# Altium PCB STM32F207VC.PcbDoc (part 14 of 16)
Units mm, origin at the board's own origin, x right, y up, seen from the top; angles counter-clockwise.
Board outline 99.19 x 99.95 mm, 2 copper layers (Top Layer, Bottom Layer); 127 components, 125 nets, 570 pads, 172 vias.
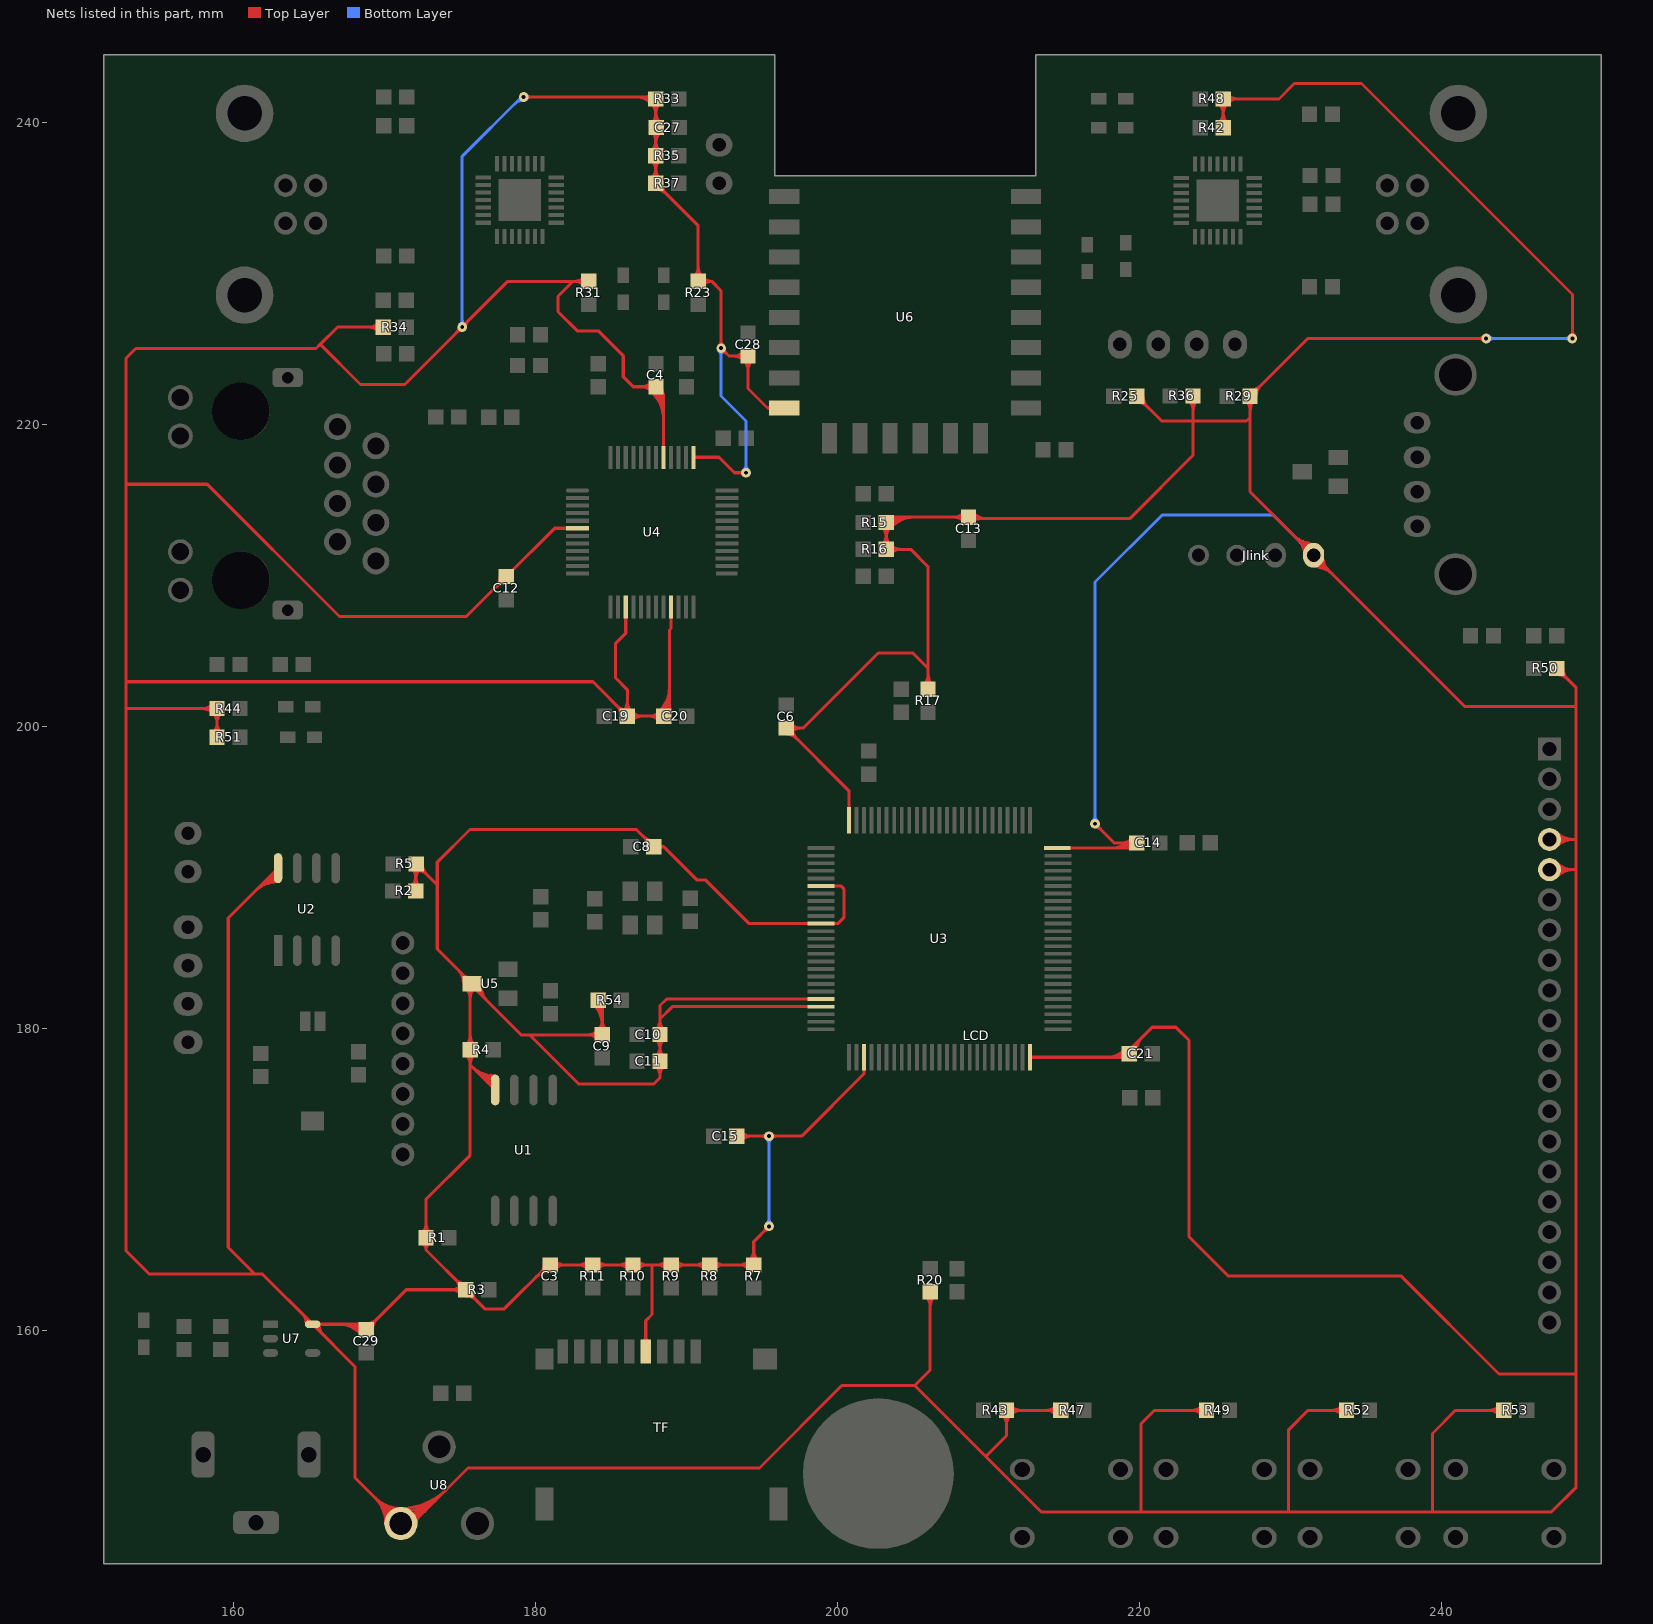
[diagram p14: the nets of this part, all layers, seen from the top]

## Via types
v1: diameter 0.635, hole 0.254, Top Layer to Bottom Layer, tented both sides, 152 vias
v2: diameter 0.635, hole 0.406, Top Layer to Bottom Layer, 18 vias
v3: diameter 1, hole 1, Top Layer to Bottom Layer, 2 vias

## Nets (pads, with @x,y where several pads share a name; then routed paths per layer and width w, separated by ;. In a path a pad name is that pad's centre, name@x,y a point inside that pad or via, vN(x,y) a via of type N, cw(c..) or ccw(c..) an arc to the next point about the centre after c; other vN are vias at no path point) (continued)
VCC3.3: (continued)
  Top Layer w0.203: R51.2@158.894,199.269 R44.2@158.894,201.174 152.87,201.174 152.864,201.168 ; U2.8@162.937,190.605 159.639,187.307 159.639,165.481 161.392,163.728 ; R34.1@169.909,226.435 166.872,226.435 165.735,225.298 ; U8.1@170.071,147.193 ccw(c167.66,147.193) 169.365,148.897 ccw(c171.069,150.602) 171.069,148.191 ccw(c171.069,152.441) 174.074,149.436 ; U8.1@170.274,147.193 ccw(c168.354,147.193) 169.712,148.55 ccw(c171.069,149.908) 171.069,147.988 ccw(c171.069,151.748) 173.727,149.089 ; U8.1@170.477,147.193 ccw(c169.048,147.193) 170.058,148.204 ccw(c171.069,149.214) 171.069,147.785 ccw(c171.069,151.054) 173.38,148.742 ; U8.1@171.069,147.175 ccw(c171.069,148.973) 172.34,147.702 ; U8.1@171.069,147.379 ccw(c171.069,149.666) 172.687,148.049 ; U8.1@171.069,147.582 ccw(c171.069,150.36) 173.034,148.396 ; R2.2@172.05,189.091 R5.1@172.05,190.846 ; U8.1@172.067,147.193 cw(c172.638,147.193) 172.235,147.597 ; U1.8@177.316,175.909 175.658,177.567 ; v1(179.203,241.675) 187.816,241.675 R33.1@187.943,241.548 R35.1@187.943,237.792 R37.2@187.943,235.972 ; U4.6@182.762,213.112 181.259,213.112 C12.2@178.06,209.914 ; R31.2@183.521,229.464 182.474,229.464 ; U4.15@185.965,207.909 185.965,206.167 185.293,205.495 185.293,203.2 186.072,202.421 C19.1@186.072,200.666 ; TF.4@187.291,158.593 187.291,160.621 187.706,161.036 187.706,164.321 ; U4.41@188.465,217.815 188.465,221.987 C4.1@187.966,222.487 ; U4.21@188.965,207.909 188.965,206.482 188.862,206.379 188.862,201.042 C20.2@188.485,200.666 ; U4.37@190.465,217.815 192.141,217.815 193.167,216.789 v1(193.929,216.789) ; C15.1@193.311,172.853 v1(195.453,172.853) 197.618,172.853 201.745,176.98 U3.28@201.745,178.078 ; v1(195.453,166.878) 194.443,165.868 R7.2@194.443,164.321 R8.2@191.522,164.321 R9.2@188.982,164.321 187.706,164.321 ; U6.8@196.469,221.077 195.356,221.077 ; U3.22@198.895,181.428 189.048,181.428 188.231,180.611 ; U3.21@198.895,181.928 188.659,181.928 188.231,181.5 188.231,180.611 ; U3.6@198.895,189.428 200.208,189.428 200.406,189.23 200.406,187.325 200.009,186.928 U3.11@198.895,186.928 194.139,186.928 191.235,189.832 190.66,189.832 188.474,192.018 ; U3.100@200.745,193.778 200.745,195.738 C6.1@196.602,199.881 ; R17.1@205.988,202.455 205.988,203.841 ; R20.1@206.127,162.543 206.127,157.359 205.105,156.337 ; U3.50@212.745,178.078 219.088,178.078 C21.1@219.312,178.302 ; U3.75@214.544,191.928 219.476,191.928 C14.1@219.82,192.272 ; R47.2@214.774,154.692 R43.2@211.184,154.692 211.184,153.018 209.804,151.638 ; v1(217.043,193.548) 218.319,192.272 C14.1@219.82,192.272 ; R36.1@223.537,221.875 223.537,220.218 ; R49.2@224.426,154.692 220.986,154.692 220.091,153.797 220.091,147.955 ; R42.2@225.535,239.643 R48.2@225.535,241.548 229.229,241.548 230.251,242.57 234.696,242.57 248.666,228.6 v1(248.666,225.679) ; R52.2@233.697,154.692 231.146,154.692 229.87,153.416 229.87,147.955 ; v1(242.951,225.679) 231.129,225.679 R29.2@227.313,221.863 ; R53.2@244.111,154.692 240.925,154.692 239.395,153.162 239.395,147.955 ; LCD.5@247.147,190.503 248.911,190.503 ; LCD.4@247.147,192.504 248.885,192.504 ; 152.864,201.168 152.864,165.268 154.404,163.728 161.392,163.728 ; 152.864,201.168 152.864,202.946 ; 152.864,202.946 183.792,202.946 C19.1@186.072,200.666 ; 152.864,202.946 152.864,216.027 ; 152.864,216.027 158.242,216.027 167.005,207.264 175.41,207.264 C12.2@178.06,209.914 ; 152.864,216.027 152.864,224.368 153.515,225.019 165.456,225.019 165.735,225.298 ; 157.913,201.174 cw(c157.913,200.193) R44.2@158.607,200.887 ; 157.913,201.174 ccw(c157.913,202.155) R44.2@158.607,201.461 ; 157.913,201.174 cw(c157.913,200.193) R44.2@158.607,200.887 ; 157.913,201.174 ccw(c157.913,202.155) R44.2@158.607,201.461 ; 157.913,201.174 ccw(c157.913,202.155) R44.2@158.607,201.461 ; 157.913,201.174 cw(c157.913,200.193) R44.2@158.607,200.887 ; 157.913,201.174 ccw(c157.913,202.155) R44.2@158.607,201.461 ; 157.913,201.174 cw(c157.913,200.193) R44.2@158.607,200.887 ; R51.2@158.607,199.556 ccw(c157.913,200.25) 158.894,200.25 ; R51.2@158.607,199.556 ccw(c157.913,200.25) 158.894,200.25 ; R51.2@158.607,199.556 ccw(c157.913,200.25) 158.894,200.25 ; R51.2@158.607,199.556 ccw(c157.913,200.25) 158.894,200.25 ; R44.2@158.607,200.887 cw(c157.913,200.193) 158.894,200.193 ; R44.2@158.607,200.887 cw(c157.913,200.193) 158.894,200.193 ; R44.2@158.607,200.887 cw(c157.913,200.193) 158.894,200.193 ; R44.2@158.607,200.887 cw(c157.913,200.193) 158.894,200.193 ; 158.894,200.193 cw(c159.876,200.193) R44.2@159.182,200.887 ; 158.894,200.193 cw(c159.876,200.193) R44.2@159.182,200.887 ; 158.894,200.193 cw(c159.876,200.193) R44.2@159.182,200.887 ; 158.894,200.193 cw(c159.876,200.193) R44.2@159.182,200.887 ; 158.894,200.25 ccw(c159.876,200.25) R51.2@159.182,199.556 ; 158.894,200.25 ccw(c159.876,200.25) R51.2@159.182,199.556 ; 158.894,200.25 ccw(c159.876,200.25) R51.2@159.182,199.556 ; 158.894,200.25 ccw(c159.876,200.25) R51.2@159.182,199.556 ; 161.392,163.728 161.892,163.728 U7.5@165.227,160.394 ; 161.419,189.087 cw(c162.937,187.569) U2.8@162.937,189.716 ; 161.419,189.087 cw(c162.937,187.569) U2.8@162.937,189.716 ; 161.419,189.087 cw(c162.937,187.569) U2.8@162.937,189.716 ; 161.419,189.087 cw(c162.937,187.569) U2.8@162.937,189.716 ; 161.766,189.434 cw(c162.937,188.263) U2.8@162.937,189.919 ; 161.766,189.434 cw(c162.937,188.263) U2.8@162.937,189.919 ; 161.766,189.434 cw(c162.937,188.263) U2.8@162.937,189.919 ; 161.766,189.434 cw(c162.937,188.263) U2.8@162.937,189.919 ; 162.113,189.781 cw(c162.937,188.957) U2.8@162.937,190.122 ; 162.113,189.781 cw(c162.937,188.957) U2.8@162.937,190.122 ; 162.113,189.781 cw(c162.937,188.957) U2.8@162.937,190.122 ; 162.113,189.781 cw(c162.937,188.957) U2.8@162.937,190.122 ; 162.142,189.547 ccw(c161.93,190.548) U2.8@162.788,189.99 ; 162.142,189.547 ccw(c161.93,190.548) U2.8@162.788,189.99 ; 162.142,189.547 ccw(c161.93,190.548) U2.8@162.788,189.99 ; 162.142,189.547 ccw(c161.93,190.548) U2.8@162.788,189.99 ; 162.142,189.547 ccw(c161.93,190.548) U2.8@162.788,189.99 ; 162.459,189.791 cw(c162.592,189.295) U2.8@162.848,189.739 ; 162.459,189.791 cw(c162.592,189.295) U2.8@162.848,189.739 ; 162.459,189.791 cw(c162.592,189.295) U2.8@162.848,189.739 ; 162.459,189.791 cw(c162.592,189.295) U2.8@162.848,189.739 ; 162.459,189.791 cw(c162.592,189.295) U2.8@162.848,189.739 ; 162.459,189.791 cw(c162.592,189.295) U2.8@162.848,189.739 ; 162.46,190.128 cw(c162.937,189.651) U2.8@162.937,190.325 ; 162.46,190.128 cw(c162.937,189.651) U2.8@162.937,190.325 ; 162.46,190.128 cw(c162.937,189.651) U2.8@162.937,190.325 ; 162.46,190.128 cw(c162.937,189.651) U2.8@162.937,190.325 ; 162.573,189.821 ccw(c162.484,190.155) U2.8@162.783,189.982 ; 162.573,189.821 ccw(c162.484,190.155) U2.8@162.783,189.982 ; 162.573,189.821 ccw(c162.484,190.155) U2.8@162.783,189.982 ; 162.573,189.821 ccw(c162.484,190.155) U2.8@162.783,189.982 ; 162.573,189.821 ccw(c162.484,190.155) U2.8@162.783,189.982 ; 162.573,189.821 ccw(c162.484,190.155) U2.8@162.783,189.982 ; 162.622,189.649 ccw(c162.512,190.17) U2.8@162.958,189.879 ; 162.622,189.649 ccw(c162.512,190.17) U2.8@162.958,189.879 ; 162.622,189.649 ccw(c162.512,190.17) U2.8@162.958,189.879 ; 162.622,189.649 ccw(c162.512,190.17) U2.8@162.958,189.879 ; 162.622,189.649 ccw(c162.512,190.17) U2.8@162.958,189.879 ; U2.8@162.807,190.474 cw(c162.937,190.344) U2.8@162.937,190.528 ; U2.8@162.807,190.474 cw(c162.937,190.344) U2.8@162.937,190.528 ; U2.8@162.807,190.474 cw(c162.937,190.344) U2.8@162.937,190.528 ; U2.8@162.807,190.474 cw(c162.937,190.344) U2.8@162.937,190.528 ; 164.533,161.088 cw(c163.839,160.394) U7.5@164.821,160.394 ; 164.533,161.088 cw(c163.839,160.394) U7.5@164.821,160.394 ; 164.533,161.088 cw(c163.839,160.394) U7.5@164.821,160.394 ; 164.533,161.088 cw(c163.839,160.394) U7.5@164.821,160.394 ; 164.771,160.58 ccw(c165.138,160.679) U7.5@164.948,160.35 ; 164.771,160.58 ccw(c165.138,160.679) U7.5@164.948,160.35 ; 164.771,160.58 ccw(c165.138,160.679) U7.5@164.948,160.35 ; 164.771,160.58 ccw(c165.138,160.679) U7.5@164.948,160.35 ; 164.771,160.58 ccw(c165.138,160.679) U7.5@164.948,160.35 ; 164.88,160.741 cw(c164.533,160.394) U7.5@165.024,160.394 ; 164.88,160.741 cw(c164.533,160.394) U7.5@165.024,160.394 ; 164.88,160.741 cw(c164.533,160.394) U7.5@165.024,160.394 ; 164.88,160.741 cw(c164.533,160.394) U7.5@165.024,160.394 ; U7.5@165.227,160.394 168.421,160.394 C29.1@168.777,160.037 ; U7.5@165.227,160.394 168.021,157.6 168.021,150.241 U8.1@171.069,147.193 171.831,147.193 175.514,150.876 194.818,150.876 200.279,156.337 205.105,156.337 ; U7.5@165.43,160.394 ccw(c165.921,160.394) 165.574,160.047 ; U7.5@165.43,160.394 ccw(c165.921,160.394) 165.574,160.047 ; U7.5@165.43,160.394 ccw(c165.921,160.394) 165.574,160.047 ; U7.5@165.43,160.394 ccw(c165.921,160.394) 165.574,160.047 ; U7.5@165.506,160.438 cw(c165.316,160.109) 165.683,160.207 ; U7.5@165.506,160.438 cw(c165.316,160.109) 165.683,160.207 ; U7.5@165.506,160.438 cw(c165.316,160.109) 165.683,160.207 ; U7.5@165.506,160.438 cw(c165.316,160.109) 165.683,160.207 ; U7.5@165.506,160.438 cw(c165.316,160.109) 165.683,160.207 ; U7.5@165.506,160.438 cw(c165.316,160.109) 165.683,160.207 ; U7.5@165.589,160.286 cw(c165.849,160.026) 165.849,160.394 ; U7.5@165.589,160.286 cw(c165.849,160.026) 165.849,160.394 ; U7.5@165.589,160.286 cw(c165.849,160.026) 165.849,160.394 ; U7.5@165.589,160.286 cw(c165.849,160.026) 165.849,160.394 ; U7.5@165.589,160.502 ccw(c165.849,160.762) 165.849,160.394 ; U7.5@165.589,160.502 ccw(c165.849,160.762) 165.849,160.394 ; U7.5@165.589,160.502 ccw(c165.849,160.762) 165.849,160.394 ; U7.5@165.589,160.502 ccw(c165.849,160.762) 165.849,160.394 ; U7.5@165.633,160.394 ccw(c166.615,160.394) 165.921,159.7 ; U7.5@165.633,160.394 ccw(c166.615,160.394) 165.921,159.7 ; U7.5@165.633,160.394 ccw(c166.615,160.394) 165.921,159.7 ; U7.5@165.633,160.394 ccw(c166.615,160.394) 165.921,159.7 ; 165.735,225.298 168.402,222.631 171.323,222.631 178.156,229.464 182.474,229.464 ; 166.936,160.394 cw(c166.936,158.196) C29.1@168.49,159.75 ; 166.936,160.394 cw(c166.936,158.196) C29.1@168.49,159.75 ; 166.936,160.394 cw(c166.936,158.196) C29.1@168.49,159.75 ; 166.936,160.394 cw(c166.936,158.196) C29.1@168.49,159.75 ; 167.426,160.394 cw(c167.426,158.686) C29.1@168.633,159.894 ; 167.426,160.394 cw(c167.426,158.686) C29.1@168.633,159.894 ; 167.426,160.394 cw(c167.426,158.686) C29.1@168.633,159.894 ; 167.426,160.394 cw(c167.426,158.686) C29.1@168.633,159.894 ; 167.88,160.148 ccw(c168.102,160.487) C29.1@168.439,160.263 ; 167.88,160.148 ccw(c168.102,160.487) C29.1@168.439,160.263 ; 167.88,160.148 ccw(c168.102,160.487) C29.1@168.439,160.263 ; 167.88,160.148 ccw(c168.102,160.487) C29.1@168.439,160.263 ; 167.88,160.148 ccw(c168.102,160.487) C29.1@168.439,160.263 ; 167.88,160.148 ccw(c168.102,160.487) C29.1@168.439,160.263 ; 167.917,160.394 cw(c167.917,159.177) C29.1@168.777,160.037 ; 167.917,160.394 cw(c167.917,159.177) C29.1@168.777,160.037 ; 167.917,160.394 cw(c167.917,159.177) C29.1@168.777,160.037 ; 167.917,160.394 cw(c167.917,159.177) C29.1@168.777,160.037 ; 167.966,160.279 ccw(c168.195,160.675) C29.1@168.503,160.337 ; 167.966,160.279 ccw(c168.195,160.675) C29.1@168.503,160.337 ; 167.966,160.279 ccw(c168.195,160.675) C29.1@168.503,160.337 ; 167.966,160.279 ccw(c168.195,160.675) C29.1@168.503,160.337 ; 167.966,160.279 ccw(c168.195,160.675) C29.1@168.503,160.337 ; 167.966,160.279 ccw(c168.195,160.675) C29.1@168.503,160.337 ; 168.052,160.036 ccw(c168.272,160.374) C29.1@168.608,160.15 ; 168.052,160.036 ccw(c168.272,160.374) C29.1@168.608,160.15 ; 168.052,160.036 ccw(c168.272,160.374) C29.1@168.608,160.15 ; 168.052,160.036 ccw(c168.272,160.374) C29.1@168.608,160.15 ; 168.052,160.036 ccw(c168.272,160.374) C29.1@168.608,160.15 ; 168.052,160.036 ccw(c168.272,160.374) C29.1@168.608,160.15 ; 168.206,160.14 ccw(c168.391,160.46) C29.1@168.64,160.187 ; 168.206,160.14 ccw(c168.391,160.46) C29.1@168.64,160.187 ; 168.206,160.14 ccw(c168.391,160.46) C29.1@168.64,160.187 ; 168.206,160.14 ccw(c168.391,160.46) C29.1@168.64,160.187 ; 168.206,160.14 ccw(c168.391,160.46) C29.1@168.64,160.187 ; 168.206,160.14 ccw(c168.391,160.46) C29.1@168.64,160.187 ; 168.223,159.924 ccw(c168.443,160.26) C29.1@168.777,160.037 ; 168.223,159.924 ccw(c168.443,160.26) C29.1@168.777,160.037 ; 168.223,159.924 ccw(c168.443,160.26) C29.1@168.777,160.037 ; 168.223,159.924 ccw(c168.443,160.26) C29.1@168.777,160.037 ; 168.223,159.924 ccw(c168.443,160.26) C29.1@168.777,160.037 ; 168.223,159.924 ccw(c168.443,160.26) C29.1@168.777,160.037 ; 168.232,160.352 cw(c168.089,160.106) C29.1@168.373,160.077 ; 168.232,160.352 ccw(c168.374,160.599) C29.1@168.54,160.368 ; 168.232,160.352 cw(c168.089,160.106) C29.1@168.373,160.077 ; 168.232,160.352 ccw(c168.374,160.599) C29.1@168.54,160.368 ; 168.232,160.352 cw(c168.089,160.106) C29.1@168.373,160.077 ; 168.232,160.352 ccw(c168.374,160.599) C29.1@168.54,160.368 ; 168.232,160.352 ccw(c168.374,160.599) C29.1@168.54,160.368 ; 168.232,160.352 cw(c168.089,160.106) C29.1@168.373,160.077 ; 168.232,160.352 ccw(c168.374,160.599) C29.1@168.54,160.368 ; 168.232,160.352 cw(c168.089,160.106) C29.1@168.373,160.077 ; 168.232,160.352 ccw(c168.374,160.599) C29.1@168.54,160.368 ; 168.232,160.352 cw(c168.089,160.106) C29.1@168.373,160.077 ; 168.24,160.121 cw(c168.084,159.852) C29.1@168.385,159.932 ; 168.24,160.121 cw(c168.084,159.852) C29.1@168.385,159.932 ; 168.24,160.121 cw(c168.084,159.852) C29.1@168.385,159.932 ; 168.24,160.121 cw(c168.084,159.852) C29.1@168.385,159.932 ; 168.24,160.121 cw(c168.084,159.852) C29.1@168.385,159.932 ; 168.24,160.121 cw(c168.084,159.852) C29.1@168.385,159.932 ; C29.1@168.407,160.394 cw(c168.407,159.668) C29.1@168.921,160.181 ; C29.1@168.407,160.394 cw(c168.407,159.668) C29.1@168.921,160.181 ; C29.1@168.407,160.394 cw(c168.407,159.668) C29.1@168.921,160.181 ; C29.1@168.407,160.394 cw(c168.407,159.668) C29.1@168.921,160.181 ; C29.1@168.777,160.037 cw(c169.473,159.895) 169.289,160.581 ; C29.1@168.777,160.037 ccw(c168.635,160.733) 169.321,160.549 ; C29.1@168.777,160.037 ccw(c168.635,160.733) 169.321,160.549 ; C29.1@168.777,160.037 cw(c169.473,159.895) 169.289,160.581 ; C29.1@168.777,160.037 ccw(c168.635,160.733) 169.321,160.549 ; C29.1@168.777,160.037 cw(c169.473,159.895) 169.289,160.581 ; C29.1@168.777,160.037 cw(c169.473,159.895) 169.289,160.581 ; C29.1@168.777,160.037 ccw(c168.635,160.733) 169.321,160.549 ; C29.1@168.777,160.037 cw(c169.473,159.895) 169.289,160.581 ; C29.1@168.777,160.037 ccw(c168.635,160.733) 169.321,160.549 ; C29.1@168.777,160.037 ccw(c168.635,160.733) 169.321,160.549 ; C29.1@168.777,160.037 cw(c169.473,159.895) 169.289,160.581 ; C29.1@168.777,160.037 171.421,162.681 R3.1@175.37,162.681 ; C29.1@168.777,160.444 ccw(c168.777,161.425) 169.471,160.731 ; C29.1@168.777,160.444 ccw(c168.777,161.425) 169.471,160.731 ; C29.1@168.777,160.444 ccw(c168.777,161.425) 169.471,160.731 ; C29.1@168.777,160.444 ccw(c168.777,161.425) 169.471,160.731 ; 168.927,226.435 cw(c168.927,225.454) R34.1@169.621,226.148 ; 168.927,226.435 ccw(c168.927,227.416) R34.1@169.621,226.722 ; 168.927,226.435 cw(c168.927,225.454) R34.1@169.621,226.148 ; 168.927,226.435 ccw(c168.927,227.416) R34.1@169.621,226.722 ; 168.927,226.435 ccw(c168.927,227.416) R34.1@169.621,226.722 ; 168.927,226.435 cw(c168.927,225.454) R34.1@169.621,226.148 ; 168.927,226.435 ccw(c168.927,227.416) R34.1@169.621,226.722 ; 168.927,226.435 cw(c168.927,225.454) R34.1@169.621,226.148 ; C29.1@169.183,160.037 cw(c170.165,160.037) 169.471,160.731 ; C29.1@169.183,160.037 cw(c170.165,160.037) 169.471,160.731 ; C29.1@169.183,160.037 cw(c170.165,160.037) 169.471,160.731 ; C29.1@169.183,160.037 cw(c170.165,160.037) 169.471,160.731 ; R2.2@171.763,189.378 ccw(c171.069,190.072) 172.05,190.072 ; R2.2@171.763,189.378 ccw(c171.069,190.072) 172.05,190.072 ; R2.2@171.763,189.378 ccw(c171.069,190.072) 172.05,190.072 ; R2.2@171.763,189.378 ccw(c171.069,190.072) 172.05,190.072 ; R5.1@171.798,190.594 cw(c171.188,189.984) 172.05,189.984 ; R5.1@171.798,190.594 cw(c171.188,189.984) 172.05,189.984 ; R5.1@171.798,190.594 cw(c171.188,189.984) 172.05,189.984 ; R5.1@171.798,190.594 cw(c171.188,189.984) 172.05,189.984 ; 172.05,189.816 cw(c173.15,189.816) R5.1@172.372,190.594 ; 172.05,189.816 cw(c173.15,189.816) R5.1@172.372,190.594 ; 172.05,189.816 cw(c173.15,189.816) R5.1@172.372,190.594 ; 172.05,189.816 cw(c173.15,189.816) R5.1@172.372,190.594 ; 172.05,190.072 ccw(c173.031,190.072) R2.2@172.338,189.378 ; 172.05,190.072 ccw(c173.031,190.072) R2.2@172.338,189.378 ; 172.05,190.072 ccw(c173.031,190.072) R2.2@172.338,189.378 ; 172.05,190.072 ccw(c173.031,190.072) R2.2@172.338,189.378 ; 172.05,190.307 cw(c172.659,190.307) R5.1@172.229,190.737 ; 172.05,190.307 cw(c172.659,190.307) R5.1@172.229,190.737 ; 172.05,190.307 cw(c172.659,190.307) R5.1@172.229,190.737 ; 172.05,190.307 cw(c172.659,190.307) R5.1@172.229,190.737 ; R5.1@172.085,190.475 cw(c172.085,189.493) 172.779,190.187 ; R5.1@172.085,190.475 cw(c172.085,189.493) 172.779,190.187 ; R5.1@172.085,190.475 cw(c172.085,189.493) 172.779,190.187 ; R5.1@172.085,190.475 cw(c172.085,189.493) 172.779,190.187 ; R5.1@172.085,190.881 cw(c171.943,190.185) 172.629,190.369 ; R5.1@172.085,190.881 ccw(c172.781,191.023) 172.597,190.337 ; R5.1@172.085,190.881 ccw(c172.781,191.023) 172.597,190.337 ; R5.1@172.085,190.881 cw(c171.943,190.185) 172.629,190.369 ; R5.1@172.085,190.881 ccw(c172.781,191.023) 172.597,190.337 ; R5.1@172.085,190.881 cw(c171.943,190.185) 172.629,190.369 ; R5.1@172.085,190.881 cw(c171.943,190.185) 172.629,190.369 ; R5.1@172.085,190.881 ccw(c172.781,191.023) 172.597,190.337 ; R5.1@172.085,190.881 cw(c171.943,190.185) 172.629,190.369 ; R5.1@172.085,190.881 ccw(c172.781,191.023) 172.597,190.337 ; R5.1@172.085,190.881 ccw(c172.781,191.023) 172.597,190.337 ; R5.1@172.085,190.881 cw(c171.943,190.185) 172.629,190.369 ; R5.1@172.085,190.881 173.482,189.484 ; R1.2@172.45,166.409 ccw(c171.756,167.103) 172.737,167.103 ; R1.2@172.45,166.409 ccw(c171.756,167.103) 172.737,167.103 ; R1.2@172.45,166.409 ccw(c171.756,167.103) 172.737,167.103 ; R1.2@172.45,166.409 ccw(c171.756,167.103) 172.737,167.103 ; R5.1@172.491,190.881 ccw(c173.473,190.881) 172.779,190.187 ; R5.1@172.491,190.881 ccw(c173.473,190.881) 172.779,190.187 ; R5.1@172.491,190.881 ccw(c173.473,190.881) 172.779,190.187 ; R5.1@172.491,190.881 ccw(c173.473,190.881) 172.779,190.187 ; R1.2@172.495,165.796 cw(c172.136,165.313) 172.737,165.313 ; R1.2@172.495,165.796 cw(c172.136,165.313) 172.737,165.313 ; R1.2@172.495,165.796 cw(c172.136,165.313) 172.737,165.313 ; R1.2@172.495,165.796 cw(c172.136,165.313) 172.737,165.313 ; 172.737,165.313 cw(c173.339,165.313) R1.2@172.98,165.796 ; 172.737,165.313 cw(c173.339,165.313) R1.2@172.98,165.796 ; 172.737,165.313 cw(c173.339,165.313) R1.2@172.98,165.796 ; 172.737,165.313 cw(c173.339,165.313) R1.2@172.98,165.796 ; 172.737,165.313 R1.2@172.737,166.122 172.737,168.673 175.658,171.594 175.658,177.567 ; 172.737,165.313 R3.1@175.37,162.681 ; 172.737,167.103 ccw(c173.719,167.103) R1.2@173.025,166.409 ; 172.737,167.103 ccw(c173.719,167.103) R1.2@173.025,166.409 ; 172.737,167.103 ccw(c173.719,167.103) R1.2@173.025,166.409 ; 172.737,167.103 ccw(c173.719,167.103) R1.2@173.025,166.409 ; 173.482,189.484 173.482,185.247 U5.3@175.783,182.946 ; 173.482,189.484 173.482,190.997 175.652,193.167 186.667,193.167 C8.2@187.816,192.018 ; 174.388,162.681 cw(c174.388,161.7) R3.1@175.082,162.394 ; 174.388,162.681 ccw(c174.388,163.662) R3.1@175.082,162.968 ; 174.388,162.681 cw(c174.388,161.7) R3.1@175.082,162.394 ; 174.388,162.681 ccw(c174.388,163.662) R3.1@175.082,162.968 ; 174.388,162.681 ccw(c174.388,163.662) R3.1@175.082,162.968 ; 174.388,162.681 cw(c174.388,161.7) R3.1@175.082,162.394 ; 174.388,162.681 ccw(c174.388,163.662) R3.1@175.082,162.968 ; 174.388,162.681 cw(c174.388,161.7) R3.1@175.082,162.394 ; 174.676,163.375 cw(c173.982,162.681) R3.1@174.963,162.681 ; 174.676,163.375 ccw(c175.37,164.069) R3.1@175.37,163.087 ; 174.676,163.375 cw(c173.982,162.681) R3.1@174.963,162.681 ; 174.676,163.375 ccw(c175.37,164.069) R3.1@175.37,163.087 ; 174.676,163.375 ccw(c175.37,164.069) R3.1@175.37,163.087 ; 174.676,163.375 cw(c173.982,162.681) 